# Altium PCB S6 V1.2.PcbDoc (part 1 of 3)
Units mil, origin at the board's own origin, x right, y up, seen from the top; angles counter-clockwise.
Board outline 4627.34 x 3435.24 mil, 4 copper layers (Top, GND, Power, Bottom), stack 65.004 mil thick; 231 components, 249 nets, 1013 pads, 463 vias.
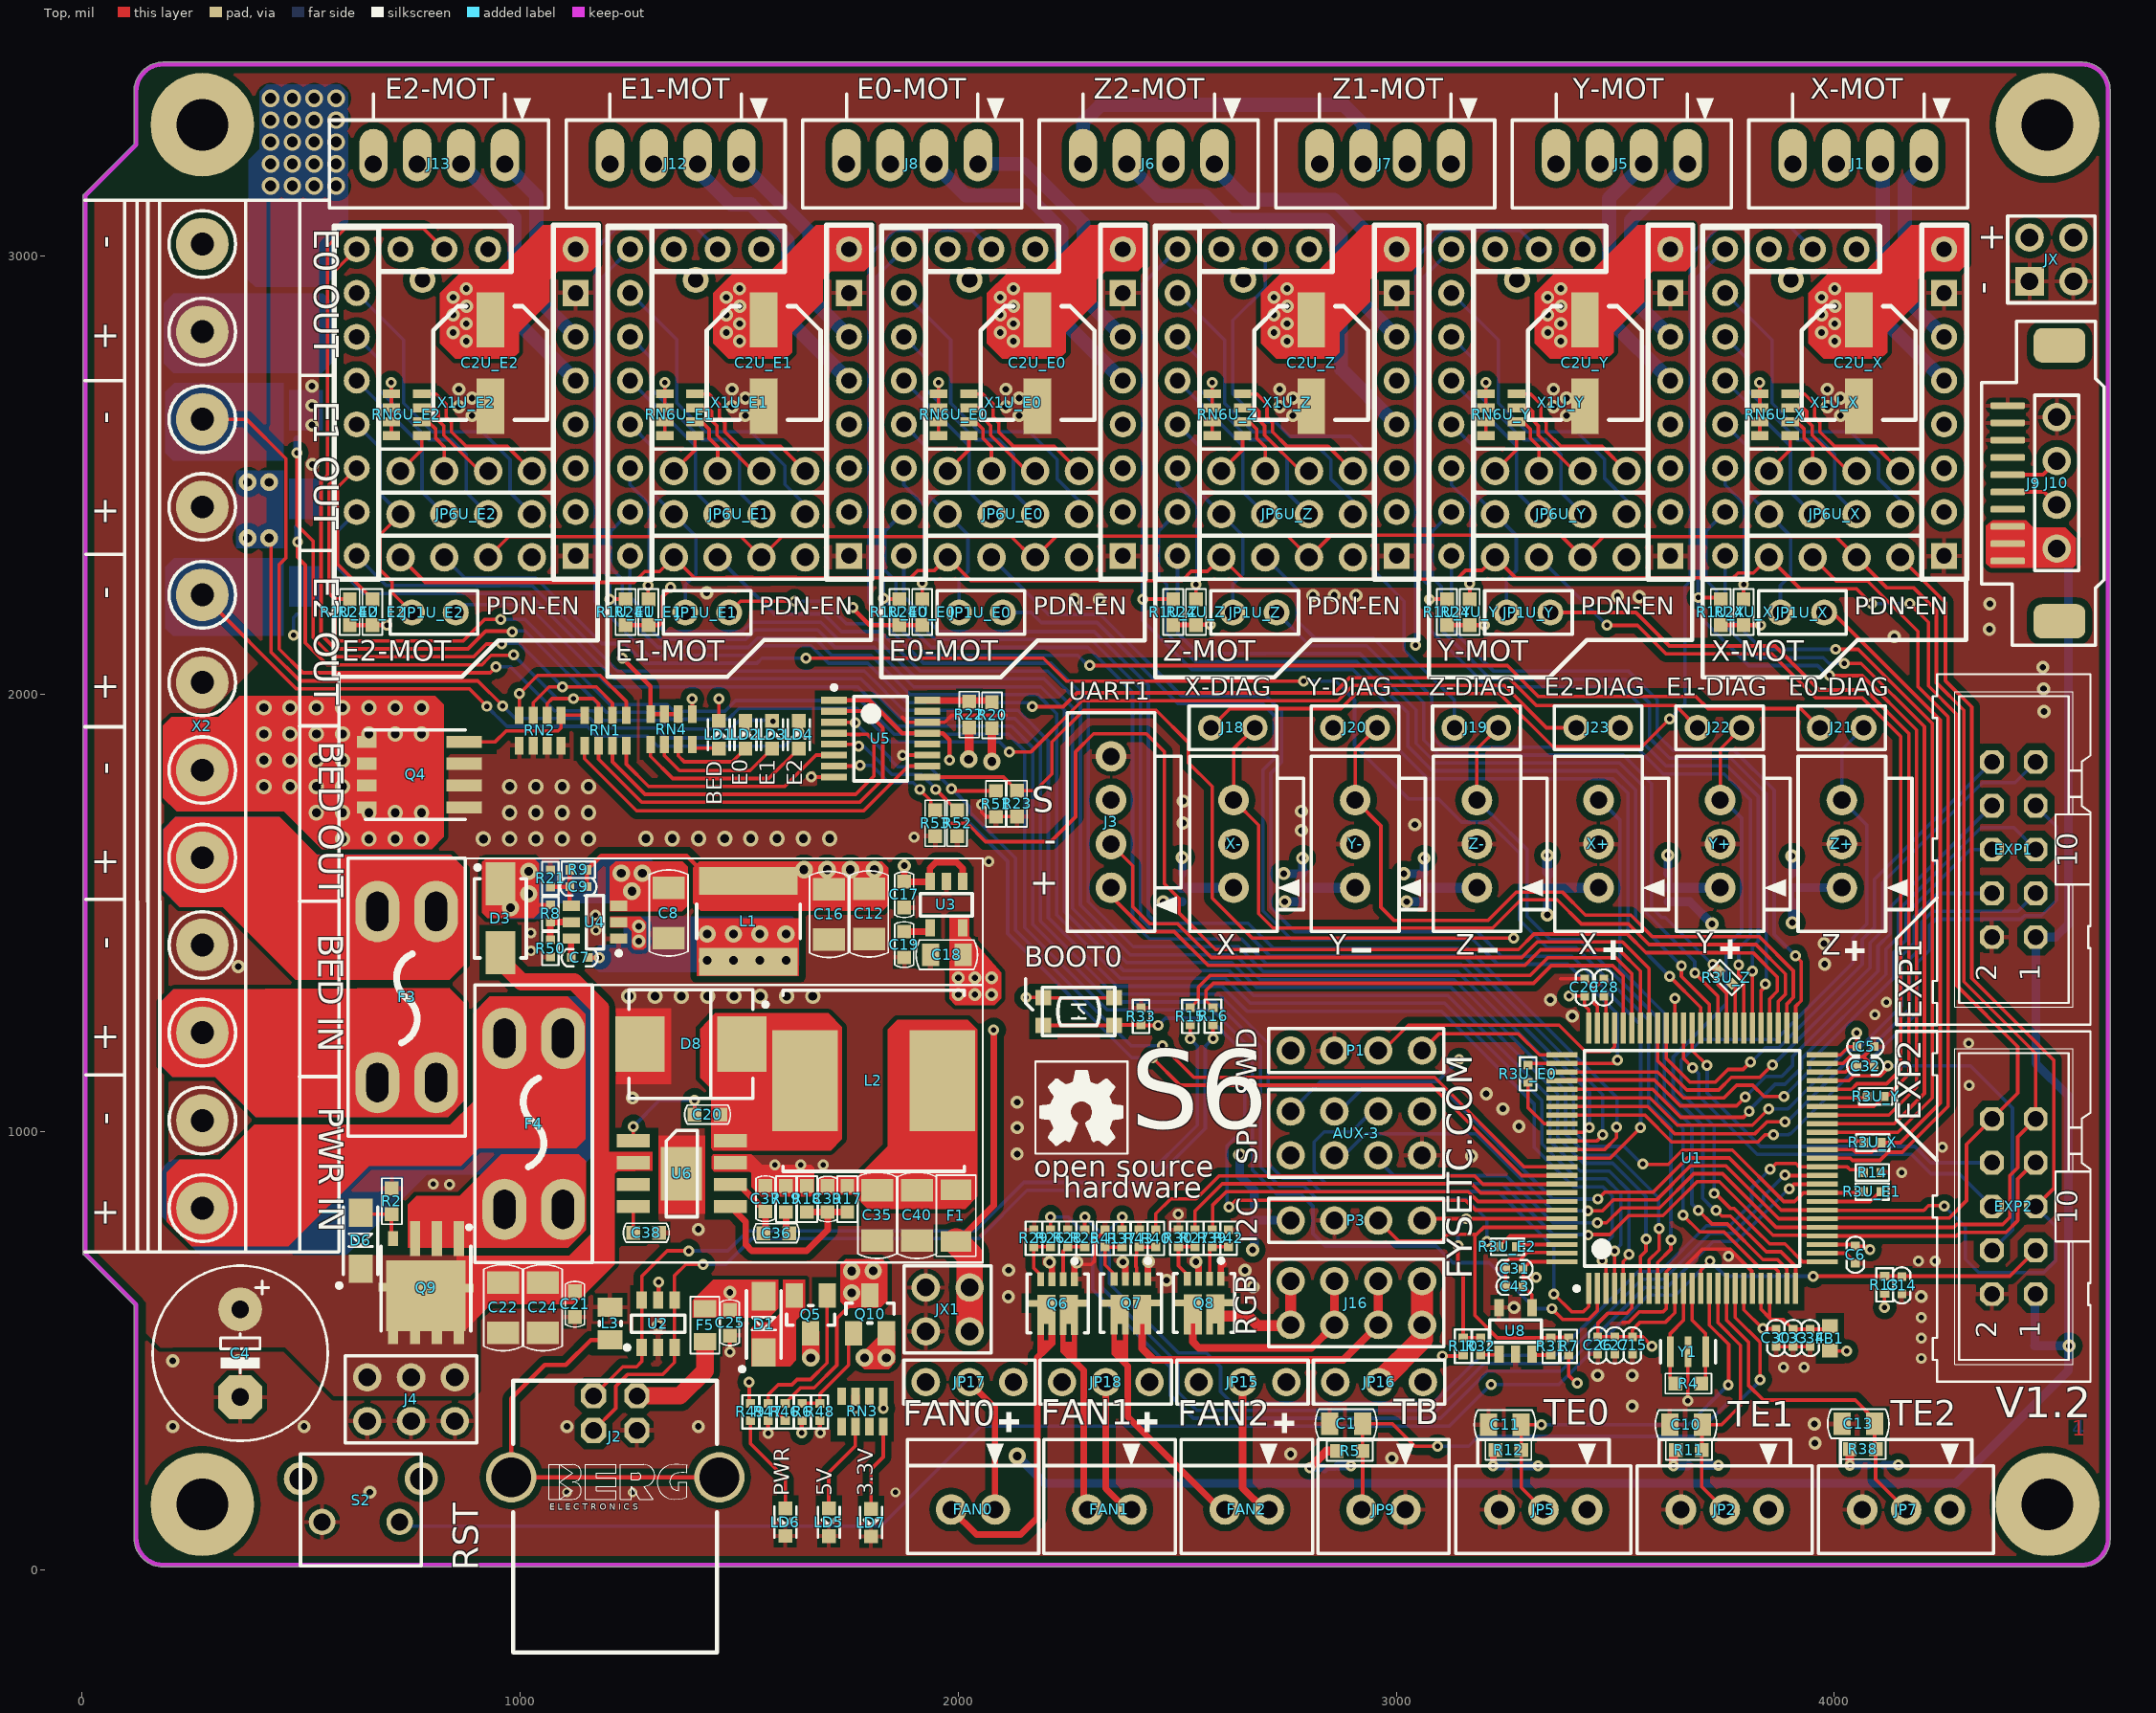
[diagram p0: Top view]
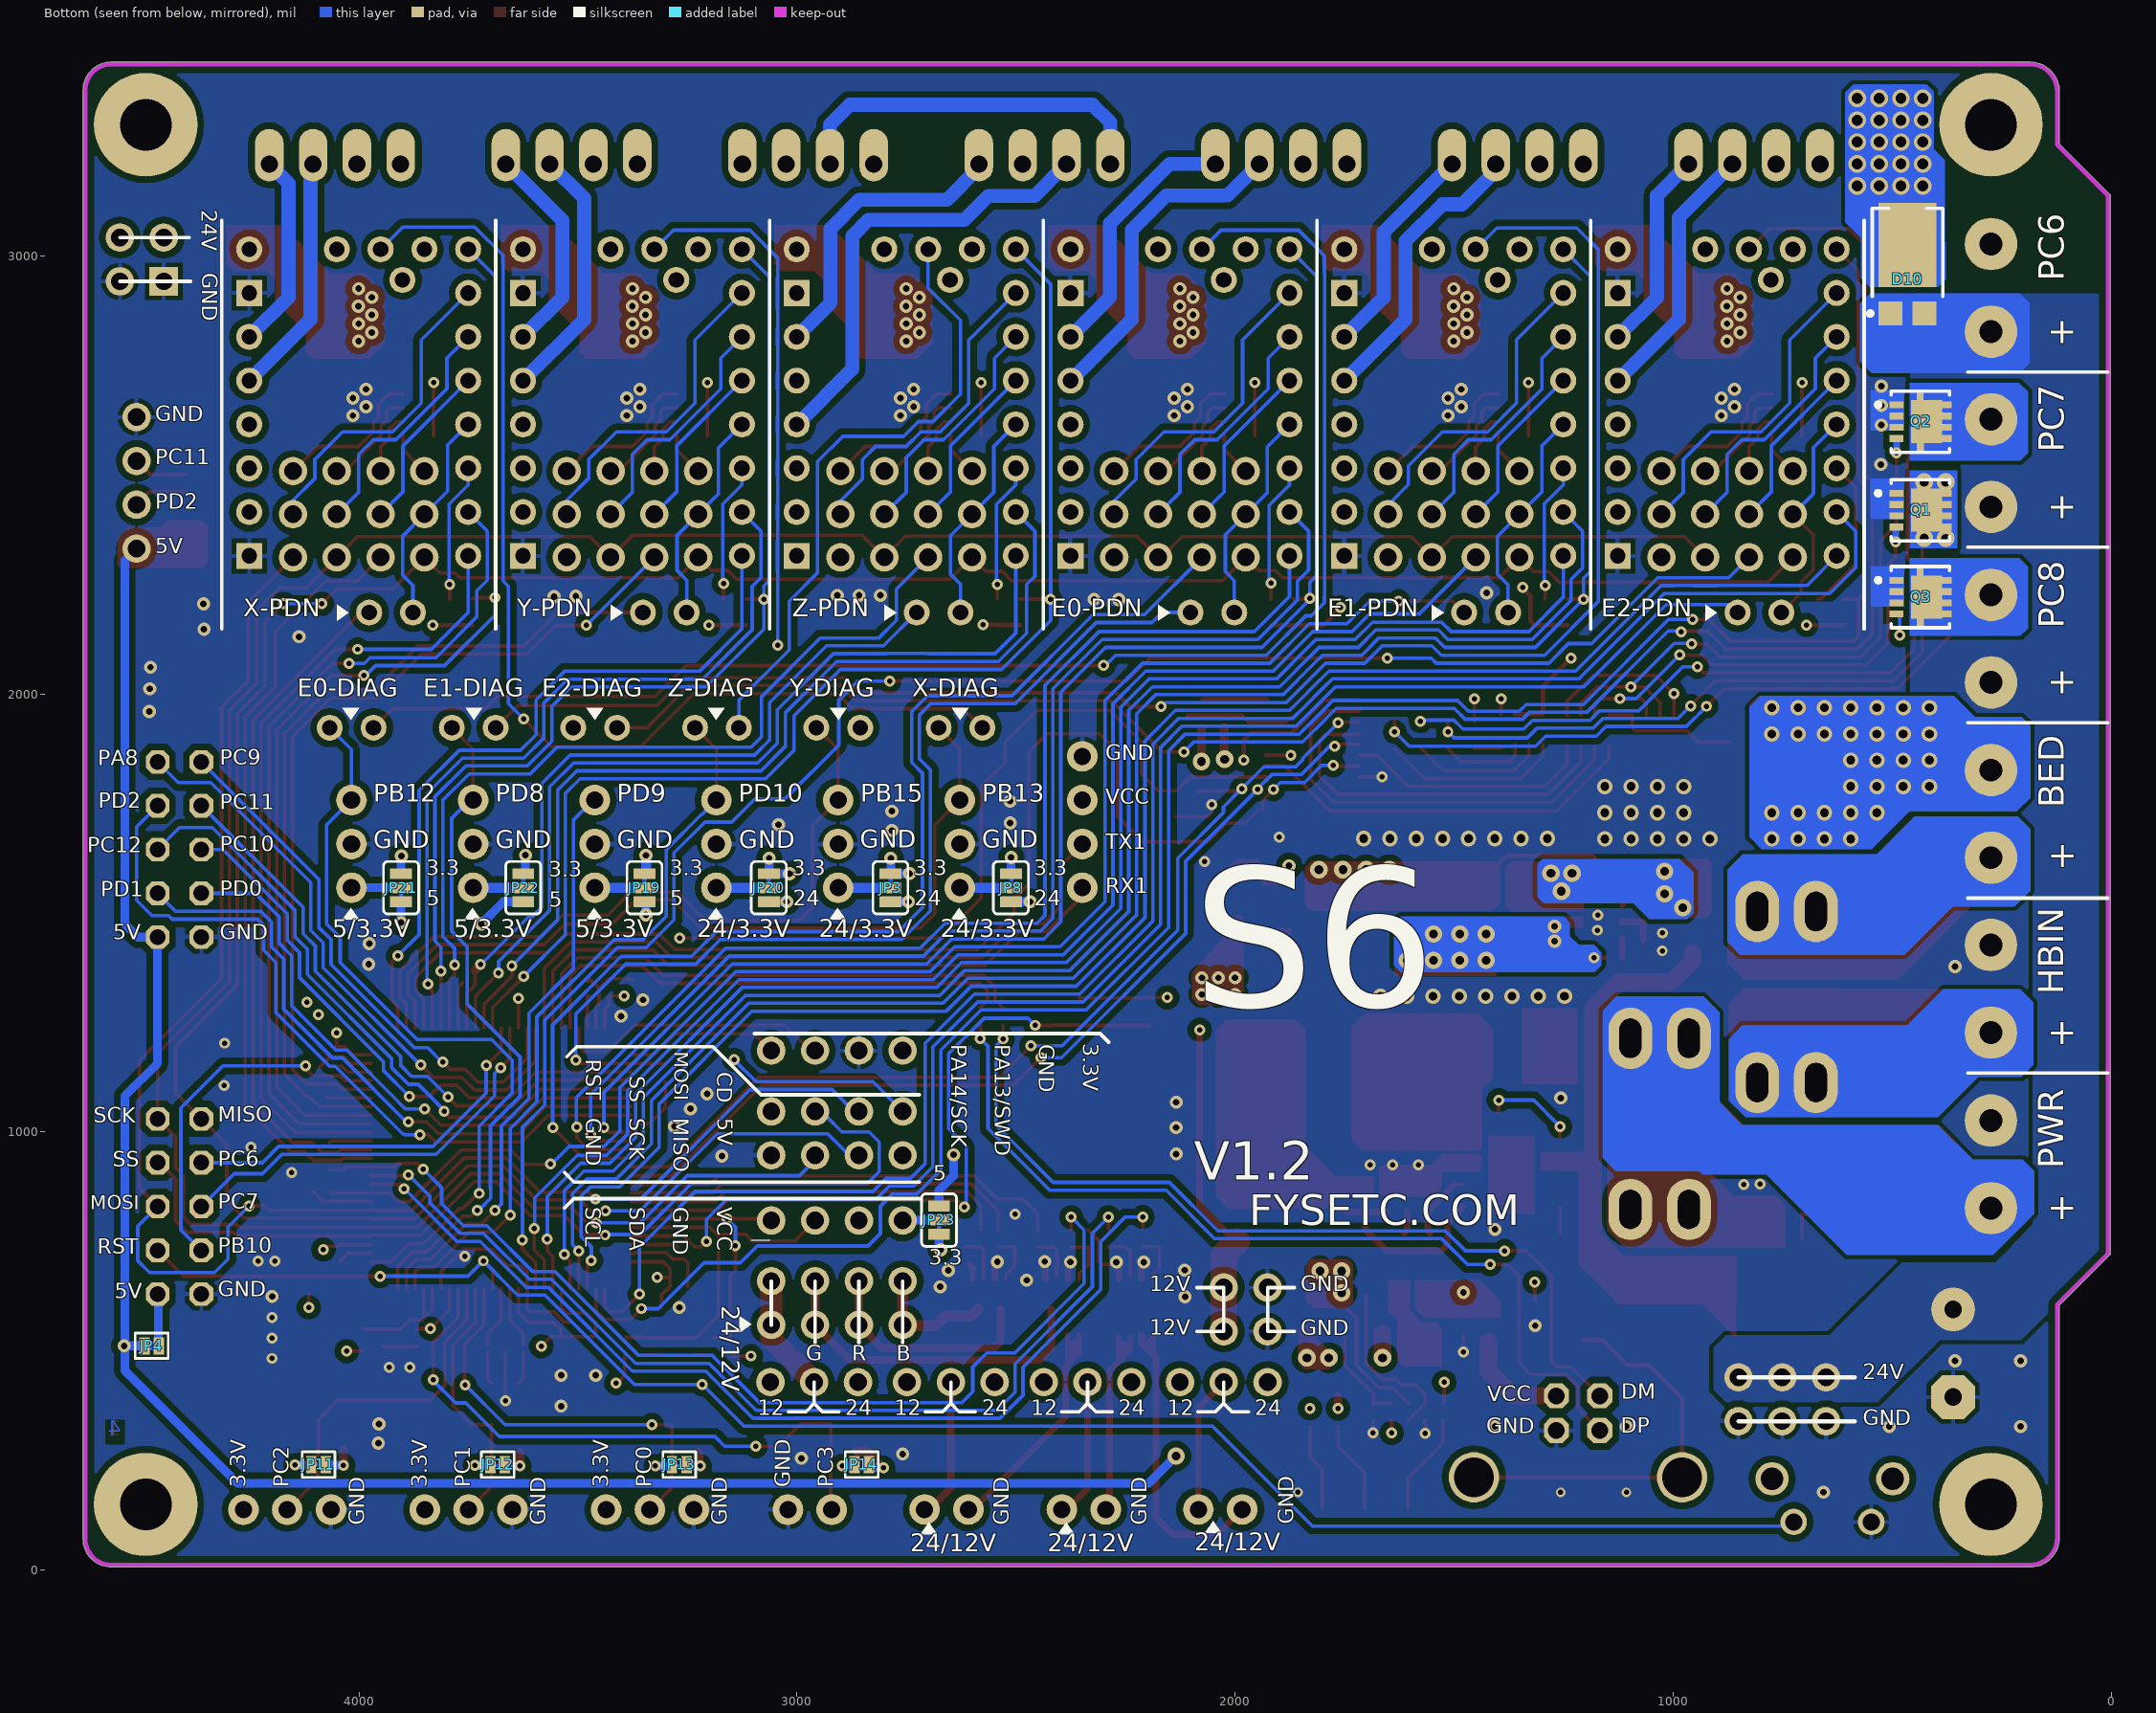
[diagram p1: Bottom view, seen from below]
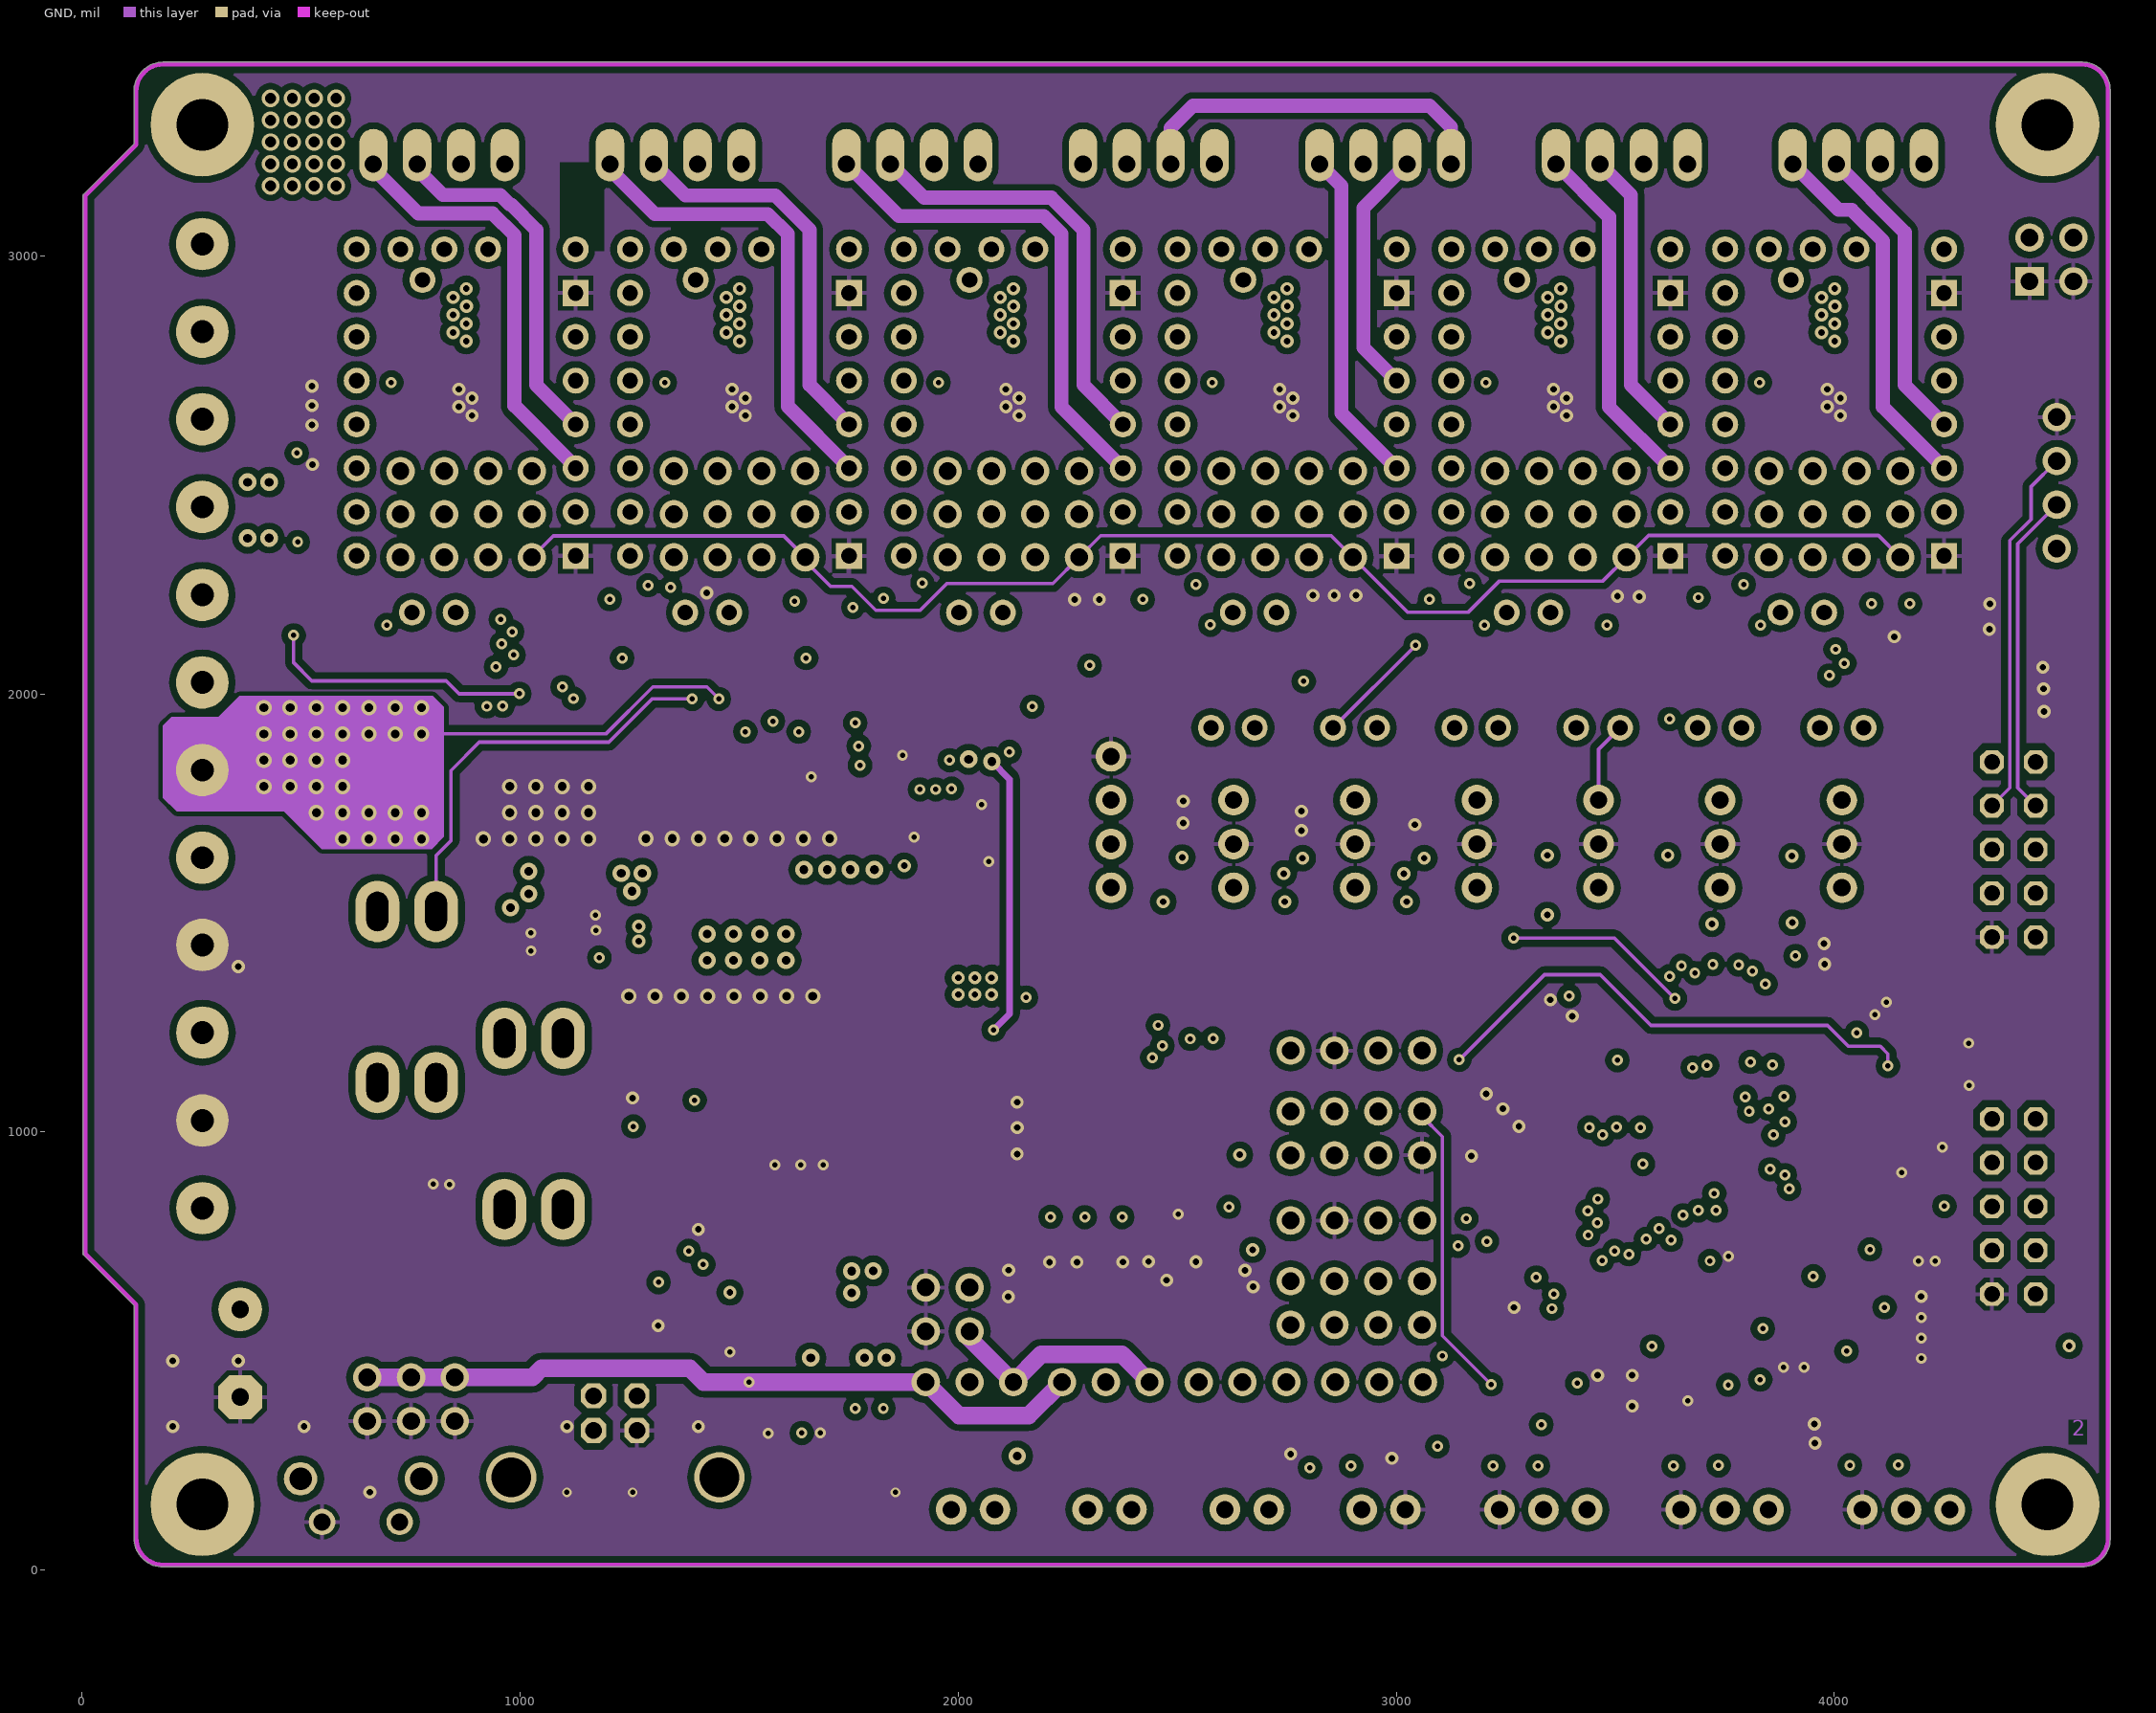
[diagram p2: GND]
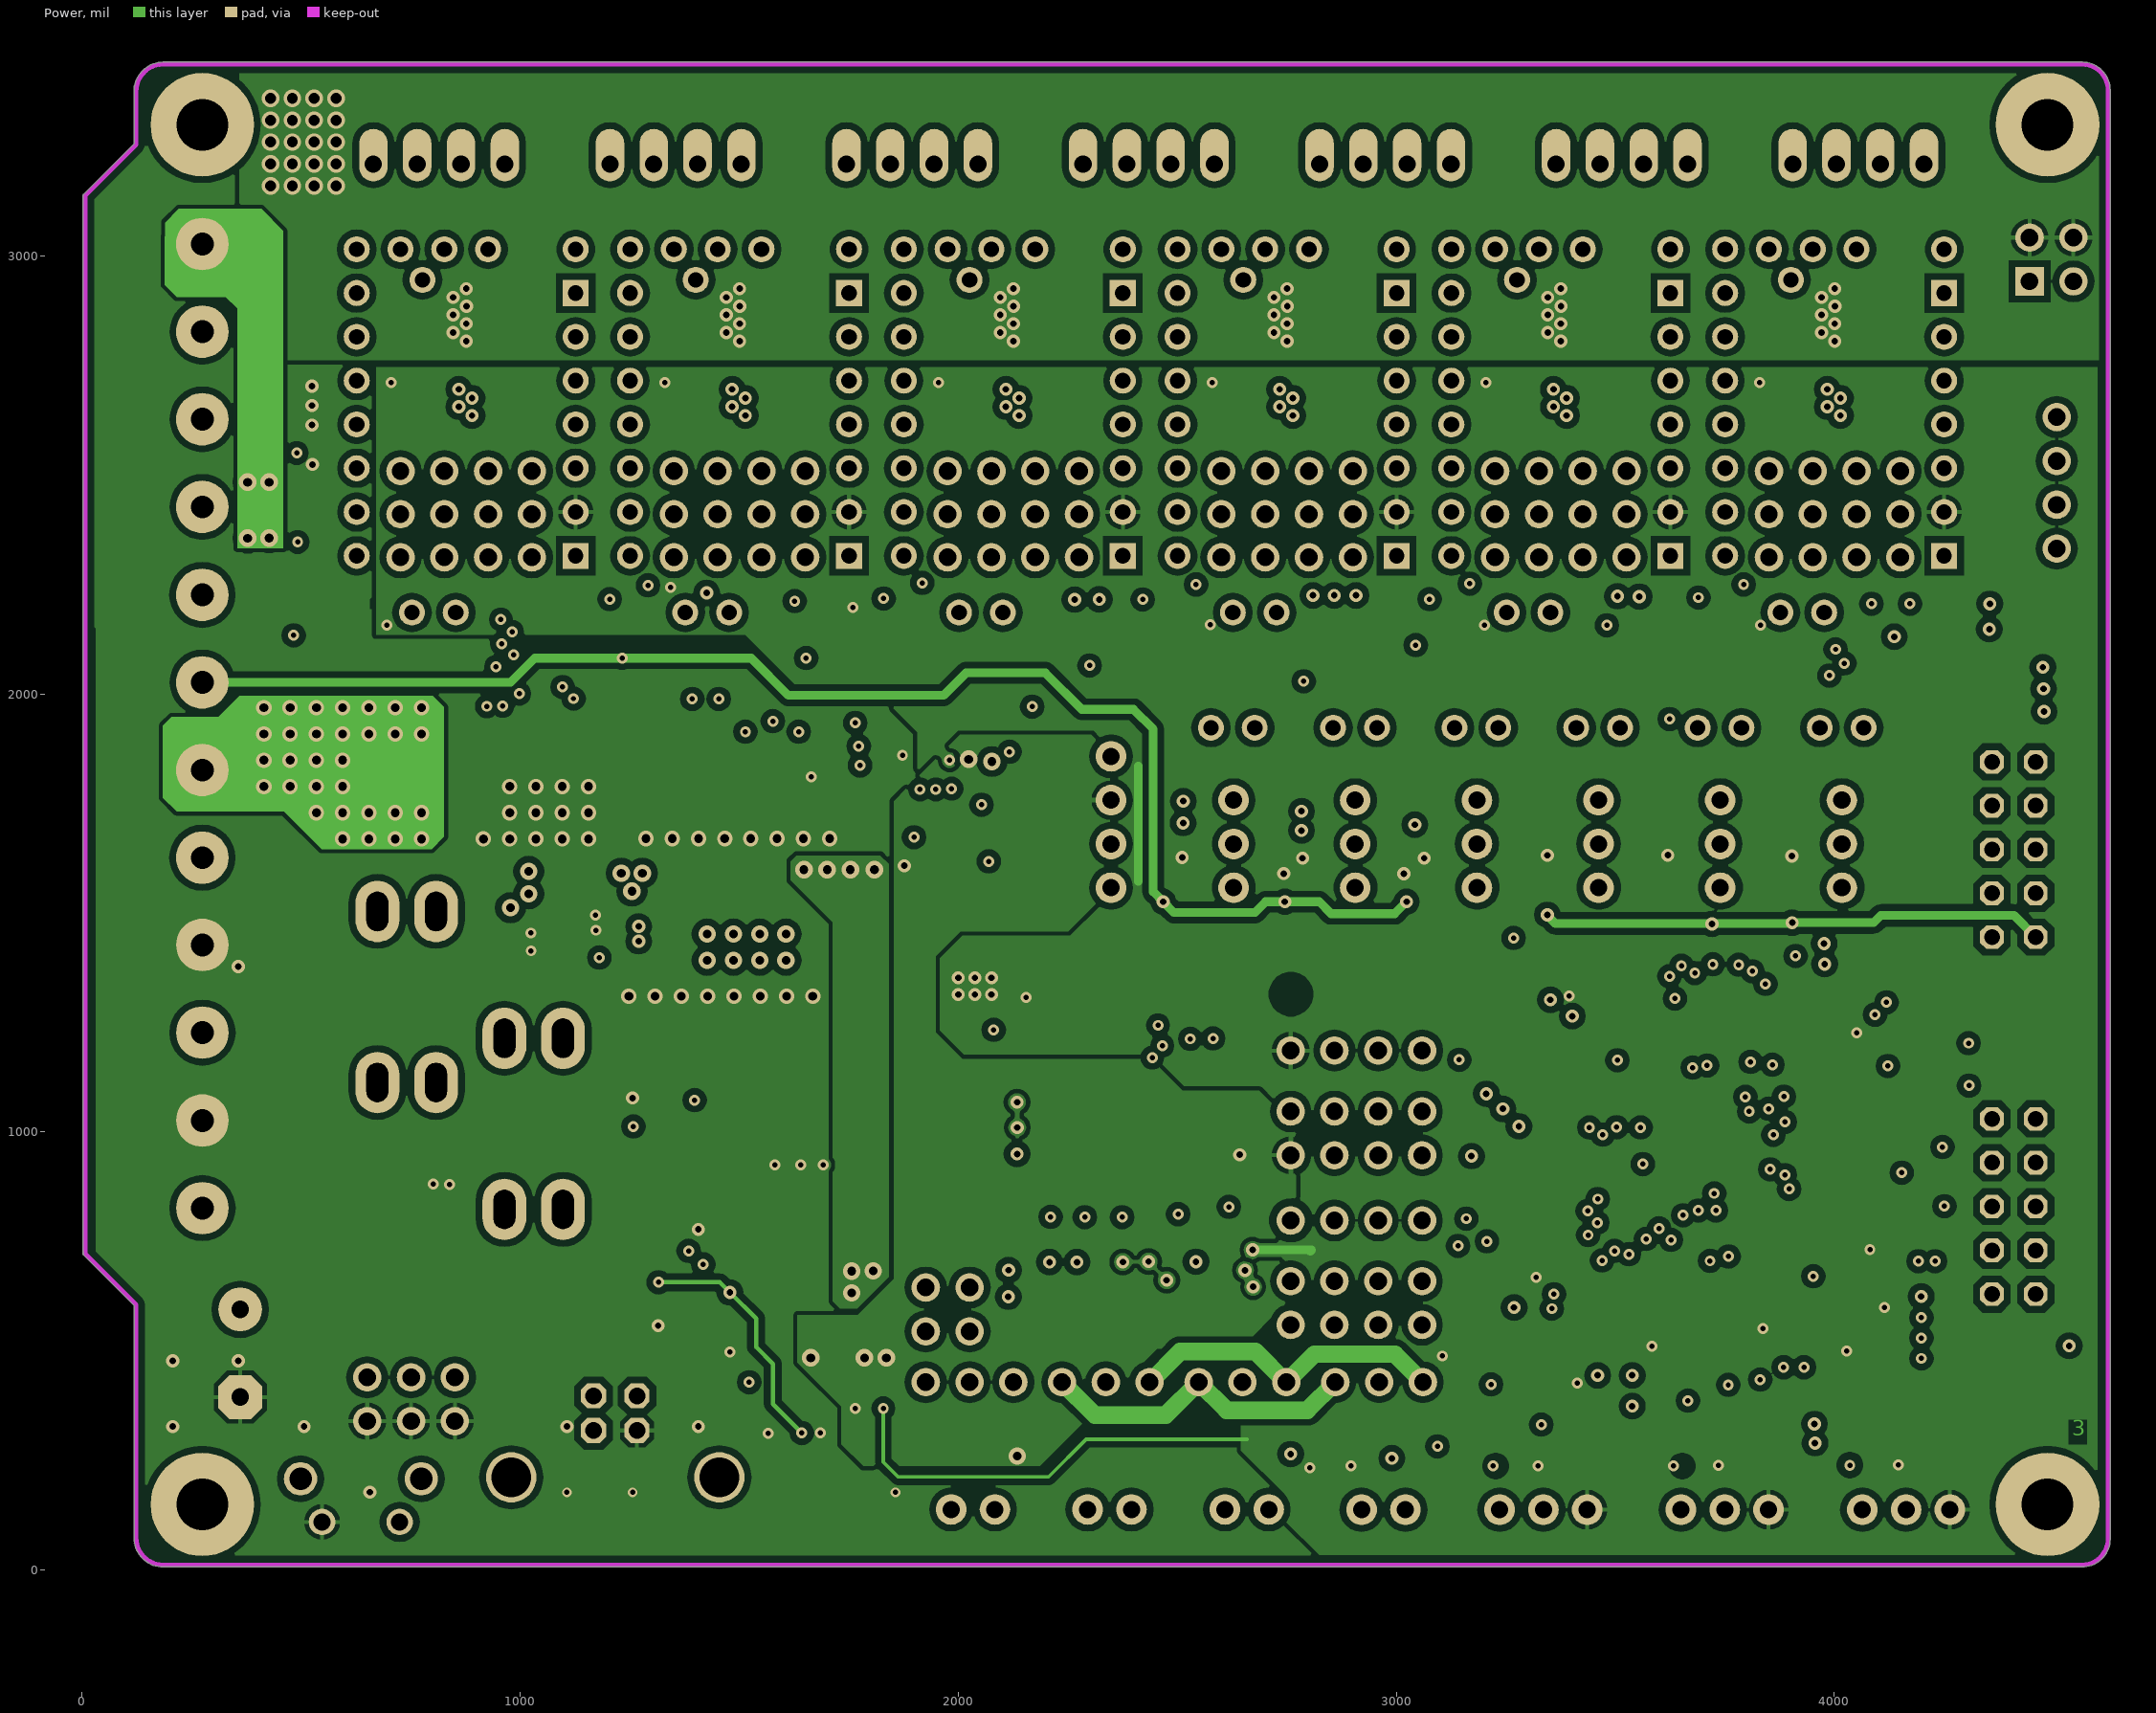
[diagram p3: Power]

## Layer stack, top to bottom
Top Solder: solder mask 0.4, Solder Resist, Dk 3.5
Top: signal copper 1.4
Dielectric 1: core 10, FR-4, Dk 4.2
GND: signal copper 1.4169
Dielectric 3: prepreg 39.3701, Dk 4.2
Power: signal copper 1.4169
Dielectric 2: core 10, Dk 4.2
Bottom: signal copper 1.4
Bottom Solder: solder mask 0.4, Solder Resist, Dk 3.5

## Board outline
3.95,718.95 cw(c7.5,722.5) 2.84,724.36 cw(c7.5,726.22) 2.49,726.22 2.48,3137.49 cw(c7.49,3137.49) 3.97,3141.06 3.94,3141.04 118.48,3255.57 118.48,3374.98 cw(c185.46,3375.46) 184.96,3442.43 cw(c185,3437.42) 185.06,3442.43 4565.73,3442.43 cw(c4565.73,3437.42) 4566.28,3442.4 cw(c4565.75,3378.33) 4629.82,3378.33 cw(c4624.8,3378.33) 4629.8,3377.97 4629.8,71.27 cw(c4624.79,71.27) 4629.8,71.19 ccw(c4565.73,71.26) 4629.8,71.26 4629.8,71.19 cw(c4565.73,71.26) 4565.73,7.19 cw(c4565.73,12.2) 4565.35,7.2 185,7.2 cw(c185,12.22) 184.97,7.2 ccw(c185,73.71) 185,7.2 184.97,7.2 cw(c185,73.71) 118.49,73.71 118.49,604.41

## Design rules (kind name [scope] priority, off if disabled: settings)
Clearance [All] p1: gap=8 ignorepadtopadclearanceinfootprint=TRUE except(0: Arc-Hole Track-Hole SMDPad-Hole THPad-Hole Via-Hole Fill-Hole Poly-Hole Region-Hole Text-Hole; 7: SMDPad-SMDPad; 10: Track-Track Track-THPad Track-Via THPad-Via Poly-Poly Poly-Region; 15: Arc-Poly Track-Poly SMDPad-Poly THPad-Poly Via-Poly Fill-Poly)
ComponentClearance [All] p1: gap=0 collisioncheckmode=3 verticalgap=0 showdistances=TRUE
PlaneConnect [All] p1: planeconnectstyle=Relief reliefexpansion=20 reliefentries=4 reliefconductorwidth=10 reliefairgap=12
PolygonConnect PolygonConnect_7 [InNet('+24V')] p1: connectstyle=Direct reliefconductorwidth=10 reliefentries=4 polygonreliefangle="90 Angle" airgapwidth=10
PolygonConnect PolygonConnect_6 [HasFootprint('ELCO Case D')] p2: connectstyle=Direct reliefconductorwidth=10 reliefentries=4 polygonreliefangle="90 Angle" airgapwidth=10
PolygonConnect PolygonConnect_5 [HasFootprint('NXP_LFPAK56')] p3: connectstyle=Direct reliefconductorwidth=10 reliefentries=4 polygonreliefangle="90 Angle" airgapwidth=10
PolygonConnect PolygonConnect_4 [HasFootprint('CAP1206')] p4: connectstyle=Direct reliefconductorwidth=10 reliefentries=4 polygonreliefangle="90 Angle" airgapwidth=10
PolygonConnect PolygonConnect_3 [HasFootprint('CASE_E7')] p5: connectstyle=Direct reliefconductorwidth=10 reliefentries=4 polygonreliefangle="90 Angle" airgapwidth=10
PolygonConnect PolygonConnect_2 [HasFootprint('CON-PHOENIX-508_MKDSN1,5/12-5,08')] p6: connectstyle=Direct reliefconductorwidth=10 reliefentries=4 polygonreliefangle="90 Angle" airgapwidth=10
PolygonConnect PolygonConnect_1 [InNet('+24V') vs InNet('VMOT')] p7: connectstyle=Direct reliefconductorwidth=10 reliefentries=4 polygonreliefangle="90 Angle" airgapwidth=10
PolygonConnect [All] p8: thpad.connectstyle=Relief thpad.reliefconductorwidth=10 thpad.reliefentries=4 thpad.polygonreliefangle="90 Angle" thpad.airgapwidth=10 smdpad.connectstyle=Relief smdpad.reliefconductorwidth=10 smdpad.reliefentries=4 smdpad.polygonreliefangle="90 Angle" smdpad.airgapwidth=10 via.connectstyle=Direct via.reliefconductorwidth=10 via.reliefentries=4 via.polygonreliefangle="90 Angle" via.airgapwidth=10
RoutingVias [All] p1: holewidth=12 width=25 viastyle="Through Hole" minholewidth=12 minwidth=25 maxholewidth=20 maxwidth=35
SolderMaskExpansion [All] p1: expansion=1
Width [All] p1: maxlimit=150 minlimit=8 preferedwidth=8
28 further rules are at their usual default settings.

## Classes and differential pairs
component class U_Power: C4 C7 C8 C9 C12 C16 C17 C18 C19 C20 C21 C22 C24 C35 C36 C37 C38 C39 C40 D1 D3 D6 D8 D10 F1 F3 F4 L1 L2 LD5 LD6 LD7 Q5 Q9 Q10 R2 R6 R8 R9 R17 R18 R19 R21 R46 R47 R48 R49 R50 RN3 U3 U4 U6
component class U_Low_MOS: A3 FAN0 FAN1 FAN2 J16 JP15 JP16 JP17 JP18 Q6 Q7 Q8 R25 R26 R27 R28 R29 R30 R37 R39 R40 R41 R42 R43
component class U_E2: C2U_E2 JP1U_E2 JP6U_E2 R1U_E2 R3U_E2 R24U_E2 RN6U_E2 X1U_E2
channel class StepStick_Driver: U_E0 U_E1 U_E2 U_X U_Y U_Z
component class U_Z: C2U_Z JP1U_Z JP6U_Z R1U_Z R3U_Z R24U_Z RN6U_Z U3U_Z X1U_Z
component class U_Y: C2U_Y JP1U_Y JP6U_Y R1U_Y R3U_Y R24U_Y RN6U_Y U3U_Y X1U_Y
component class U_X: C2U_X JP1U_X JP6U_X R1U_X R3U_X R24U_X RN6U_X U3U_X X1U_X
component class U_Motor_Ctl: J1 J5 J6 J7 J8 J12 J13 J18 J19 J20 J21 J22 J23 TP1 TP2 TP3
component class U_E1: C2U_E1 JP1U_E1 JP6U_E1 R1U_E1 R3U_E1 R24U_E1 RN6U_E1 U3U_E1 X1U_E1
component class U_E0: C2U_E0 JP1U_E0 JP6U_E0 R1U_E0 R3U_E0 R24U_E0 RN6U_E0 U3U_E0 X1U_E0
component class U_Arduino_STM32F4xxVE: BOOT0 C5 C6 C14 C15 C25 C26 C27 C28 C29 C30 C31 C32 C33 C34 C43 F5 FB1 J2 JP23 L3 P1 P3 R4 R7 R10 R13 R14 R15 R16 R31 R32 R33 S2 U1 U2 U8 Y1
component class U_Others: AUX-3 C1 C10 C11 C13 EXP1 EXP2 J3 J4 J9 J10 JP2 JP3 JP4 JP5 JP7 JP8 JP9 JP11 JP12 JP13 JP14 JP19 JP20 JP21 JP22 JX JX1 LD1 LD2 LD3 LD4 Q1 Q2 Q3 Q4 R5 R11 R12 R20 R22 R23 R38 R51 R52 R53 RN1 RN2 RN4 U5 X2 X+ X- Y+ Y- Z+ Z-
